# Allegro board C000PD020-3399PRO-DMEB-A-A01.brd (continued)
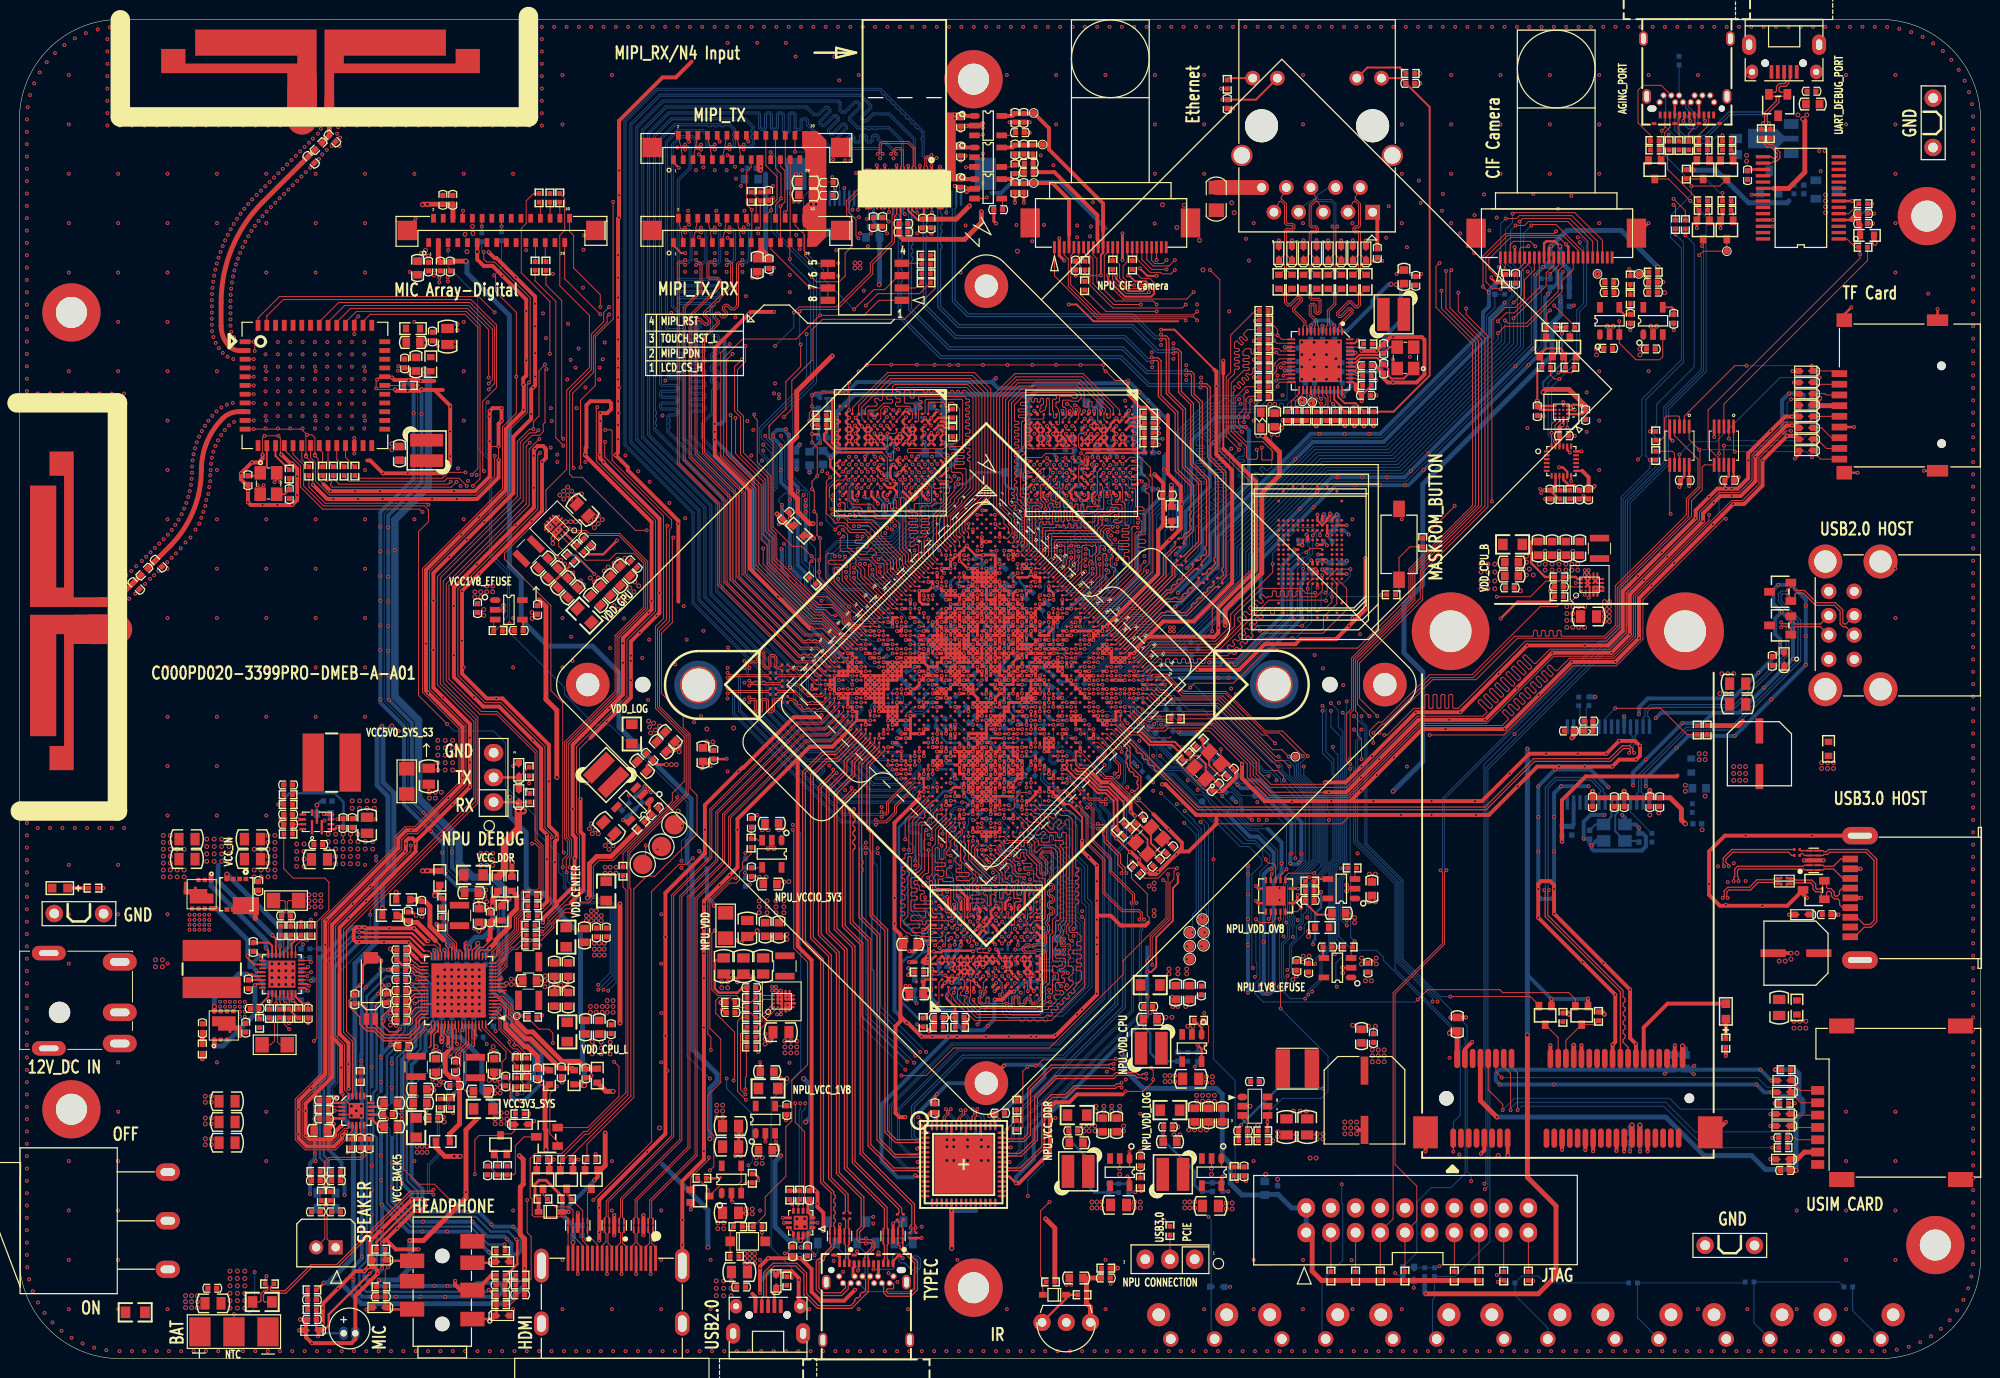
[diagram p0: board, top side]
## Routing (per net, layer and track width the routed paths; a pad name or vN(x,y) marks a point on that pad's centre or on a via; arc(x,y) is an arc through that point) (continued)
DDR0_CS0N: length 34.2
  TOP w0.102: v1(89.94,97.59) 89.79,97.59 89.38,98 88.99,98 88.64,97.64 88.64,96.74 U3601.L3 ; U1000.M6 v1(96.73,80.38)
  S1 w0.102: v1(96.73,80.38) 96.23,80.89 96.23,81.03 96.9,81.7 97.67,81.7 98.22,82.25 98.22,83.67 97.66,84.23 97.66,85.37 98.07,85.78 98.07,86.26 97.82,86.52 97.82,88.43 98.73,89.34 98.73,96.58 97.69,97.62 96.13,97.62 96.03,97.52 96.03,97.13 95.93,97.03 95.02,97.03 94.92,97.13 94.92,97.64 94.58,97.98 93.79,97.98 93.69,97.88 93.69,97.54 93.58,97.44 93.38,97.44 93.28,97.54 93.28,97.88 93.18,97.98 92.97,97.98 92.87,97.88 92.87,97.54 92.77,97.44 92.57,97.44 92.47,97.54 92.47,97.88 92.36,97.98 90.33,97.98 v1(89.94,97.59)
DDR0_CS1N: length 27.9
  TOP w0.102: v1(87.99,96.01) 87.99,95.94 U3601.L4 ; U1000.B1 98.58,86.82 v1(98.57,86.82)
  S1 w0.102: v1(87.99,96.01) 88.47,96.49 88.47,97.24 87.81,97.9 87.81,98.61 87.98,98.78 99.24,98.78 99.34,98.68 99.34,89.06 98.58,88.3 98.58,86.82 v1(98.57,86.82)
DDR0_D0: length 18.9
  TOP w0.102: v1(84.78,84.59) 84.71,84.51 84.56,84.51 84.46,84.41 84.46,83.17 84.56,83.06 85.24,83.06 86.08,82.23 86.08,81.69 86.59,81.18 86.59,80.42 89.84,77.17 U1000.AB2 ; U3601.P9 86.36,91.61 86.36,91.57 v1(86.69,91.24)
  S1 w0.102: v1(86.69,91.24) 86.36,90.91 86.36,90.15 86.26,90.05 85.98,90.05 85.37,89.44 85.37,87.38 85.1,87.11 85.1,84.9 v1(84.78,84.59)
DDR0_D1: length 18.6
  TOP w0.102: v1(86.49,81.8) 86.48,81.81 86.47,81.81 86.54,81.75 86.54,81.67 87,81.21 87,80.47 U1000.AB1 ; v1(87.3,91.24) 87.3,91.32 U3601.N9
  S1 w0.102: v1(87.3,91.24) 87.33,91.24 87.58,90.99 87.58,90.84 87.5,90.76 87.24,90.76 87.07,90.59 87.07,90.1 86.99,90.02 86.99,89.34 86.56,88.91 86.56,88.55 86.74,88.37 86.74,88.04 86.64,87.94 86.23,87.94 86.13,87.84 86.13,87.64 86.23,87.53 86.54,87.53 86.74,87.33 86.74,85.4 86.46,85.12 85.95,85.12 85.83,84.99 85.83,81.95 86.03,81.74 86.37,81.74 86.46,81.83 86.46,81.81 86.48,81.81 v1(86.49,81.8)
DDR0_D2: length 19.6
  TOP w0.102: U3601.N10 87.18,90.64 87.18,90.64 v1(87.42,90.4) ; v1(87.51,81.62) 87.51,81.62 87.51,81.62 87.45,81.62 87.35,81.52 87.35,80.57 90.3,77.63 90.76,77.63 U1000.AA2 90.76,77.63
  S1 w0.102: v1(87.51,81.62) 87.51,81.62 87.51,81.62 87.45,81.68 87.45,82.3 87.35,82.4 86.23,82.4 86.13,82.5 86.13,82.83 86.22,82.92 86.55,82.92 86.64,83.01 86.64,83.14 86.55,83.23 86.22,83.23 86.13,83.32 86.13,83.44 86.22,83.53 86.55,83.53 86.64,83.62 86.64,83.75 86.55,83.84 86.22,83.84 86.13,83.93 86.13,84.08 86.23,84.18 87.15,84.18 87.35,84.38 87.35,86.62 87.86,87.13 87.86,87.53 87.8,87.59 87.8,87.66 87.66,87.81 87.66,89.07 87.71,89.12 87.71,89.87 87.53,90.05 87.44,90.05 87.34,90.15 87.34,90.32 v1(87.42,90.4)
DDR0_D3: length 19.2
  TOP w0.102: U3601.N11 87.01,89.99 86.69,89.67 86.69,89.61 86.63,89.55 86.63,89.56 v1(86.64,89.56) ; v1(87.76,80.67) 87.76,80.63 U1000.AA1
  S1 w0.102: v1(87.76,80.67) 87.76,79.97 87.19,79.41 85.83,79.41 85.47,79.76 85.47,85.78 85.69,86 85.81,86 86.36,86.55 86.36,86.56 86.37,86.58 86.37,86.89 85.67,87.58 85.67,88.42 85.81,88.56 85.81,88.8 85.63,88.98 85.63,89.18 85.78,89.33 85.92,89.33 86.01,89.24 86.32,89.24 86.63,89.55 86.63,89.56 v1(86.64,89.56)
DDR0_D4: length 20.1
  TOP w0.102: 91.22,78.09 91.22,78.09 90.75,78.09 88.16,80.67 88.16,81.46 87.36,82.26 86.55,82.26 85.45,83.37 85.32,83.37 85.22,83.47 85.22,84.79 v1(84.71,85.3) ; U3601.M8 87.66,92.36 v1(87.27,91.98)
  S1 w0.102: v1(87.27,91.98) 87.3,92 87.33,91.98 86.94,91.6 85.98,91.6 85.7,91.32 85.7,91.09 85.45,90.84 85.11,90.84 84.92,90.65 84.92,90.03 85.06,89.89 85.06,87.58 84.76,87.28 84.76,87.16 84.71,87.11 v1(84.71,85.3)
DDR0_D5: length 18.7
  TOP w0.102: U1000.Y1 88.57,80.73 88.57,80.93 v1(88.52,80.97) ; U3601.M9 87.66,91.49 v1(87.91,91.24)
  S1 w0.102: v1(88.52,80.97) 88.63,80.97 88.67,80.93 89.18,80.93 89.28,81.03 89.28,81.13 89.19,81.22 89.07,81.22 88.98,81.31 88.98,81.44 89.07,81.53 89.19,81.53 89.28,81.62 89.28,81.74 89.19,81.83 88.86,81.83 88.77,81.92 88.77,82.05 88.86,82.14 89.19,82.14 89.28,82.23 89.28,82.86 87.96,84.18 87.96,86.21 88.93,87.18 88.93,87.81 88.84,87.9 88.76,87.9 88.69,87.97 88.69,88.14 88.76,88.21 88.83,88.21 88.9,88.28 88.9,88.44 88.83,88.51 88.76,88.51 88.67,88.6 88.67,88.73 88.76,88.82 88.84,88.82 88.93,88.91 88.93,89.11 88.82,89.21 88.42,89.21 88.32,89.31 88.32,89.42 88.21,89.52 88.21,90.12 88.32,90.22 88.32,90.63 88.23,90.71 88.23,90.96 88.32,91.04 88.32,91.24 88.18,91.37 88.04,91.37 v1(87.91,91.24)
DDR0_D6: length 19.2
  TOP w0.102: U1000.W1 89.28,80.94 89.28,81.84 88.69,82.43 88.55,82.43 88.4,82.28 v1(88.4,82.24) ; U3601.M10 87.88,90.59 87.88,90.49 v1(87.94,90.43)
  S1 w0.102: v1(88.4,82.24) 88.37,82.27 88.37,82.41 88.47,82.51 88.69,82.51 88.79,82.62 88.79,82.76 88.69,82.86 88.11,82.86 88.02,82.76 87.05,82.76 86.94,82.87 86.94,83.12 87.03,83.21 87.97,83.21 88.06,83.3 88.06,83.43 87.97,83.52 87.03,83.52 86.94,83.6 86.94,83.77 87.05,83.88 87.55,83.88 87.66,83.98 87.66,86.42 88.51,87.27 88.51,87.52 88.42,87.61 88.2,87.61 87.99,87.82 87.99,87.82 87.99,87.83 87.99,88.37 87.91,88.45 87.91,89.03 88.07,89.19 88.07,89.34 87.94,89.46 v1(87.94,90.43)
DDR0_D7: length 20.2
  TOP w0.102: v1(86.74,84.59) 86.74,84.38 86.6,84.24 86.08,84.24 85.98,84.14 85.98,83.98 86.08,83.88 87.25,83.88 87.35,83.77 87.35,83.57 87.25,83.47 86.23,83.47 86.13,83.37 86.13,83.19 86.56,82.76 87.05,82.76 87.63,83.35 87.78,83.35 88.16,82.96 88.16,82.76 88.06,82.66 87.83,82.66 87.73,82.56 87.73,82.38 88.27,81.84 88.77,81.84 88.98,81.64 88.98,80.78 91.21,78.54 91.68,78.54 U1000.W2 ; v1(87.35,89.65) 87.37,89.65 87.37,89.67 87.66,89.95 U3601.M11
  S1 w0.102: v1(86.74,84.59) 86.96,84.59 87.05,84.67 87.05,88.11 87.2,88.26 87.3,88.26 87.4,88.36 87.4,88.52 87.28,88.64 87.28,88.82 87.4,88.93 87.4,89.13 87.22,89.31 87.22,89.52 87.36,89.65 v1(87.35,89.65)
DDR0_D8: length 25.1
  TOP w0.102: v1(91.21,89.63) 91.2,89.63 91.2,89.68 91.53,90.01 U3601.F11 ; U1000.AF2 88,75.33 82.98,80.34 82.98,82.66 83.19,82.87 83.69,82.87 83.9,82.66 v1(83.9,82.56)
  BOTTOM w0.102: v1(83.9,82.56) 84.71,83.37 87.55,83.37 87.96,83.77 89.87,83.77 91.92,85.83 91.92,86.87 91.26,87.53 91.26,89.56 91.2,89.63 v1(91.21,89.63)
DDR0_D9: length 25.6
  TOP w0.102: v1(84.25,80.23) 84.25,80 88.47,75.79 U1000.AE2 ; v1(91.79,90.4) 91.78,90.4 91.78,90.39 91.76,90.39 91.76,90.49 91.56,90.69 U3601.F10
  BOTTOM w0.102: v1(91.79,90.4) 91.78,90.4 91.78,90.39 91.77,90.39 91.77,90.28 91.52,90.02 91.03,90.02 90.86,89.85 90.86,89.44 91.01,89.29 91.01,87.18 91.1,87.09 91.28,87.09 91.36,87 91.36,86.74 91.26,86.63 91.13,86.63 91.03,86.53 91.03,86.22 91.14,86.12 91.35,86.12 91.45,86.02 91.45,85.79 89.74,84.08 87.76,84.08 87.35,83.67 84.51,83.67 83.49,82.66 83.49,82.31 84.01,81.8 84.01,81.65 83.71,81.35 83.71,80.84 84.25,80.29 v1(84.25,80.23)
DDR0_D10: length 24.4
  TOP w0.102: U3601.F9 91.56,91.52 91.87,91.21 v1(91.87,91.19) ; v1(84.25,81.31) 84.17,81.39 83.95,81.39 83.85,81.29 83.85,79.94 88,75.79 U1000.AF1
  BOTTOM w0.102: v1(91.87,91.19) 91.87,90.94 92.16,90.65 92.16,89.54 92.59,89.11 92.59,85.63 89.92,82.96 88.16,82.96 87.94,82.73 85.67,82.73 84.66,81.72 84.66,81.41 84.56,81.31 v1(84.25,81.31)
DDR0_D11: length 25.9
  TOP w0.102: U3601.F8 91.56,92.36 v1(91.92,92) ; v1(85.06,80.4) 85.06,80.11 88.92,76.25 U1000.AD2
  BOTTOM w0.102: v1(85.06,80.4) 85.47,80.8 85.47,81.59 85.7,81.82 85.93,81.82 86.27,82.16 87.72,82.16 88.04,81.84 89.03,81.84 89.12,81.75 89.57,81.75 93.55,85.73 93.55,87.71 93.13,88.13 93.13,89.04 93.34,89.25 93.39,89.25 93.41,89.27 93.41,89.27 93.62,89.48 93.62,89.48 93.62,89.48 93.62,89.77 93.37,90.02 93.09,90.02 92.86,90.25 92.86,90.55 92.63,90.78 92.43,90.78 92.23,90.99 92.23,91.7 v1(91.92,92)
DDR0_D12: length 25
  TOP w0.102: U1000.AE1 88.46,76.25 84.66,80.05 84.66,81.59 84.51,81.74 83.37,81.74 83.27,81.84 83.27,82.08 83.34,82.15 84.74,82.15 84.96,82.37 v1(84.96,82.53) ; U3601.E11 92.21,89.98 91.83,89.6 91.79,89.6 91.79,89.6 v1(91.79,89.6)
  BOTTOM w0.102: v1(91.79,89.6) 91.79,89.6 91.79,89.56 91.54,89.31 91.54,87.69 92.23,87 92.23,85.71 89.99,83.47 89.47,83.47 89.39,83.38 89.39,83.36 89.3,83.27 89.17,83.27 89.08,83.36 89.08,83.38 88.99,83.47 88.86,83.47 88.78,83.38 88.78,83.36 88.69,83.27 88.56,83.27 88.47,83.36 88.47,83.38 88.38,83.47 88.16,83.47 87.76,83.06 84.91,83.06 84.76,82.91 84.76,82.71 84.94,82.53 v1(84.96,82.53)
DDR0_D13: length 25.4
  TOP w0.102: U1000.AD1 88.54,77.09 85.47,80.16 85.47,82.02 85.34,82.15 85.2,82.15 85.06,82.02 v1(85.06,81.51) ; v1(92.51,90.4) 92.52,90.4 92.52,90.4 92.51,90.4 92.21,90.7 U3601.E10
  BOTTOM w0.102: v1(92.51,90.4) 92.52,90.4 92.52,90.4 92.51,90.4 92.53,90.38 92.53,90.23 92.9,89.86 92.9,89.4 92.84,89.33 92.84,87.71 92.93,87.63 93.15,87.63 93.24,87.53 93.24,87.41 93.15,87.32 92.93,87.32 92.84,87.23 92.84,87.1 92.93,87.02 93.15,87.02 93.24,86.92 93.24,86.8 93.15,86.71 92.93,86.71 92.84,86.62 92.84,86.5 92.93,86.41 93.15,86.41 93.24,86.31 93.24,86.19 93.15,86.1 92.93,86.1 92.84,86.01 92.84,85.45 89.54,82.15 88.87,82.15 88.77,82.25 88.77,82.56 88.67,82.66 88.29,82.66 88.06,82.43 85.9,82.43 85.81,82.34 85.81,82.22 85.72,82.12 85.57,82.12 85.06,81.62 v1(85.06,81.51)
DDR0_D14: length 25.7
  TOP w0.102: v1(85.87,81.4) 85.89,81.4 86.23,81.06 86.23,80.31 U1000.AC1 ; v1(92.58,91.19) 92.21,91.56 U3601.E9
  BOTTOM w0.102: v1(85.87,81.4) 85.89,81.4 87.07,80.22 88.47,80.22 93.9,85.65 93.9,86.11 94.01,86.21 94.31,86.21 94.41,86.31 94.41,86.52 94.31,86.62 94.01,86.62 93.9,86.72 93.9,86.92 94.01,87.02 94.31,87.02 94.41,87.13 94.41,87.33 94.31,87.43 94.01,87.43 93.9,87.53 93.9,87.73 94.01,87.84 94.31,87.84 94.41,87.94 94.41,88.14 94.31,88.24 94.01,88.24 93.9,88.34 93.9,89.9 93.58,90.22 93.58,90.56 93.36,90.78 92.99,90.78 v1(92.58,91.19)
DDR0_D15: length 26.2
  TOP w0.102: v1(92.53,92) 92.86,91.67 U3601.D9 ; v1(85.88,80.34) 85.88,80.21 89.38,76.71 U1000.AC2
  BOTTOM w0.102: v1(85.88,80.34) 85.88,79.81 85.98,79.71 88.93,79.71 91.25,82.03 92.11,82.03 93.04,82.96 93.04,84.28 94.79,86.03 94.79,90.05 93.95,90.88 93.65,90.88 93.5,91.04 93.5,91.37 93.24,91.63 92.9,91.63 v1(92.53,92)
DDR0_D16: length 18.7
  TOP w0.102: U1000.V1 89.94,81.2 89.94,82.12 87.66,84.41 87.66,84.68 87.04,85.3 85.64,85.3 84.93,86.01 84,86.01 83.03,86.98 83.03,90.28 v1(83.44,90.69) ; U3601.T8 84.76,92.11 v1(84.76,92.08)
  BOTTOM w0.102: v1(84.76,92.08) 84.76,92.01 v1(83.44,90.69)
DDR0_D17: length 19.5
  TOP w0.102: v1(84.76,91.27) 84.76,91.31 U3601.T9 ; v1(83.95,85.3) 84.35,85.71 84.81,85.71 85.52,84.99 86.89,84.99 87.35,84.53 87.35,84.28 89.64,82 89.64,81.04 91.67,79 U1000.V2
  BOTTOM w0.102: v1(83.95,85.3) 82.99,86.26 82.99,89.63 84.63,91.27 v1(84.76,91.27)
DDR0_D18: length 18.8
  TOP w0.102: v1(84.25,86.42) 84.36,86.52 84.85,86.52 85.35,86.02 87.54,86.02 88.37,85.2 88.37,84.56 90.55,82.38 90.55,81.51 U1000.U1 ; v1(83.69,88.35) 83.34,88.71 83.34,89.61 84.12,90.39 84.75,90.39 85.06,90.7 U3601.T10
  BOTTOM w0.102: v1(84.25,86.42) 84.25,86.12 84.05,85.91 83.85,85.91 83.74,86.02 83.74,86.42 84.05,86.73 84.05,87.48 83.69,87.84 v1(83.69,88.35)
DDR0_D19: length 19.4
  TOP w0.102: U1000.U2 92.13,79.46 90.25,81.34 90.25,82.25 88.01,84.49 88.01,85.04 87.35,85.71 86.44,85.71 v1(86.38,85.65) ; v1(84.71,89.6) 84.73,89.6 84.73,89.69 85.05,90.01 U3601.T11
  BOTTOM w0.102: v1(84.71,89.6) 84.71,89.6 84.71,89.33 84.36,88.97 84.36,88.96 84.35,88.96 84.35,88.42 84.91,87.86 84.91,86.72 85.22,86.42 85.22,85.2 85.42,85 87.5,85 87.6,85.1 87.6,85.53 87.5,85.63 86.41,85.63 v1(86.38,85.65)
DDR0_D20: length 19.1
  TOP w0.102: U1000.T1 92.31,80.67 92.03,80.95 91.16,81.82 91.16,82.63 90.55,83.24 90.55,85.91 89.99,86.47 88.06,86.47 87.91,86.62 86.67,86.62 86.39,86.9 86.39,87.2 86.28,87.31 85.98,87.31 85.88,87.2 85.88,86.8 85.98,86.7 v1(86,86.7) ; U3601.R8 85.71,92.34 v1(85.37,92)
  BOTTOM w0.102: v1(85.37,92) 85.64,91.73 85.64,90.27 85.42,90.05 85.22,90.05 85.12,89.95 85.12,89.06 85.22,88.96 85.22,87.6 85.98,86.84 85.98,86.72 v1(86,86.7)
DDR0_D21: length 19
  TOP w0.102: U1000.T2 92.61,79.92 90.86,81.68 90.86,82.5 88.67,84.69 88.67,85.4 87.76,86.31 85.46,86.31 84.95,86.83 84.36,86.83 83.85,87.35 83.67,87.35 v1(83.62,87.4) ; U3601.R9 85.69,91.61 v1(85.29,91.21)
  BOTTOM w0.102: v1(83.62,87.4) 83.48,87.4 83.34,87.54 83.34,89.57 84.63,90.86 84.94,90.86 v1(85.29,91.21)
DDR0_D22: length 19.9
  TOP w0.102: v1(84.35,87.81) 84.35,87.99 84.42,88.06 84.86,88.06 84.96,87.96 84.96,87.34 85.06,87.23 85.43,87.23 85.8,87.61 86.49,87.61 86.68,87.42 86.68,87.2 86.78,87.1 87.94,87.1 88.3,86.75 90.81,86.75 90.91,86.64 90.91,83.37 91.47,82.81 91.47,81.97 93.05,80.38 U1000.R2 ; v1(85.28,90.42) 85.26,90.42 85.26,90.44 85.33,90.44 85.7,90.81 U3601.R10
  BOTTOM w0.102: v1(85.28,90.42) 85.26,90.42 85.26,90.44 85.24,90.45 84.98,90.45 84.35,89.83 84.35,89.47 84.33,89.45 84.11,89.22 84.11,87.93 84.23,87.81 v1(84.35,87.81)
DDR0_D23: length 22.1
  TOP w0.102: U3601.R11 85.37,89.67 85.37,88.25 85.7,87.91 87.6,87.91 88.37,87.15 88.62,87.15 88.72,87.25 88.72,87.86 88.8,87.95 88.95,87.95 89.03,87.86 89.03,87.2 89.13,87.1 89.24,87.1 89.33,87.19 89.33,87.9 89.42,87.99 89.55,87.99 89.64,87.9 89.64,87.5 89.73,87.41 89.85,87.41 89.94,87.5 89.94,88.28 90.03,88.37 90.13,88.37 90.22,88.28 90.22,87.52 90.31,87.43 90.55,87.43 90.65,87.54 90.65,88.52 90.75,88.62 90.99,88.62 91.21,88.4 91.21,83.5 91.77,82.94 91.77,82.13 92.6,81.3 93.06,80.84 U1000.R1
DDR0_D24: length 19.6
  TOP w0.102: U1000.P1 93.23,81.59 92.53,82.29 92.53,83.67 92.43,83.76 92.21,83.76 92.02,83.57 91.72,83.57 91.61,83.69 91.61,83.96 91.71,84.06 91.99,84.06 92.09,84.16 92.09,84.36 91.99,84.46 91.71,84.46 91.61,84.57 91.61,84.82 91.69,84.91 92.34,84.91 92.43,84.99 92.43,85.12 92.34,85.21 91.61,85.21 91.52,85.3 91.52,85.43 91.61,85.51 92.34,85.51 92.43,85.6 92.43,85.73 92.34,85.82 91.61,85.82 91.52,85.91 91.52,86.04 91.61,86.12 92.34,86.12 92.43,86.21 92.43,86.34 92.34,86.43 91.61,86.43 91.52,86.52 91.52,86.64 91.61,86.73 92.34,86.73 92.43,86.82 92.43,86.95 92.34,87.04 91.61,87.04 91.52,87.13 91.52,87.25 91.61,87.34 91.99,87.34 92.08,87.43 92.08,87.89 92.18,87.99 93.71,87.99 93.85,88.14 93.85,88.74 93.86,88.75 93.86,89.04 93.83,89.07 93.83,89.69 U3601.C11
DDR0_D25: length 17.6
  TOP w0.102: U1000.P2 93.51,80.84 92.13,82.22 v1(92.13,82.66) ; U3601.C10 93.52,90.81 93.95,90.38 93.95,90.4 v1(93.94,90.4)
  S1 w0.102: v1(93.94,90.4) 93.95,90.4 93.95,90.38 94.46,89.87 94.46,89.36 94.87,88.95 94.87,88.55 94.77,88.45 94.56,88.45 94.46,88.34 94.46,87.84 94.06,87.43 92.02,87.43 91.92,87.33 91.92,86.95 92.02,86.85 92.28,86.85 92.38,86.75 92.38,86.55 92.28,86.45 92.02,86.45 91.92,86.35 91.92,86.14 92.02,86.04 92.28,86.04 92.38,85.94 92.38,85.74 92.28,85.63 92.02,85.63 91.92,85.53 91.92,85.33 92.02,85.23 92.28,85.23 92.38,85.13 92.38,84.92 92.28,84.82 92.02,84.82 91.92,84.72 91.92,84.52 92.02,84.41 92.28,84.41 92.38,84.31 92.38,84.11 92.28,84.01 92.02,84.01 91.92,83.91 91.92,83.67 92.02,83.57 92.33,83.57 92.51,83.39 92.51,82.83 92.33,82.66 v1(92.13,82.66)
DDR0_D26: length 16.8
  TOP w0.102: v1(93.55,84.28) 93.45,84.18 93.24,84.18 93.14,84.08 93.14,82.6 93.69,82.05 U1000.N1 ; U3601.C9 93.51,91.39 93.66,91.24 93.87,91.24 v1(93.87,91.24)
  S1 w0.102: v1(93.87,91.24) 94.04,91.24 95.07,90.21 95.07,89.67 95.25,89.49 95.38,89.49 95.48,89.39 95.48,87.84 94.46,86.82 93.24,86.82 93.04,86.62 93.04,86.49 93.13,86.4 93.56,86.4 93.65,86.31 93.65,86.19 93.56,86.1 93.13,86.1 93.04,86 93.04,85.88 93.13,85.79 93.56,85.79 93.65,85.7 93.65,85.58 93.56,85.49 93.13,85.49 93.04,85.4 93.04,85.27 93.13,85.18 93.56,85.18 93.65,85.09 93.65,84.97 93.56,84.88 93.13,84.88 93.04,84.79 93.04,84.41 93.17,84.28 v1(93.55,84.28)
DDR0_D27: length 17
  TOP w0.102: v1(93.9,92) 93.85,92 93.51,92.34 U3601.C8 ; U1000.M1 94.03,82.63 94.03,86.8 95.48,88.25 95.48,88.55 96.19,89.26 96.19,90.07 v1(96.65,90.54)
  S1 w0.102: v1(96.65,90.54) 96.65,91.1 96.55,91.2 95.94,91.2 95.88,91.14 95.32,91.14 94.86,91.6 93.65,91.6 93.54,91.7 93.54,92.17 93.01,92.7 93.01,92.85 93.11,92.95 93.26,92.95 93.9,92.31 v1(93.9,92)
DDR0_D28: length 20.1
  TOP w0.102: U3601.B11 94.08,89.93 94.08,89.63 94.16,89.54 94.66,89.54 94.73,89.61 95.6,89.61 95.7,89.51 95.7,89.16 95.6,89.06 95.22,89.06 95.12,88.96 95.12,88.27 94.88,88.03 94.19,88.03 93.91,87.75 92.86,87.75 92.76,87.64 92.76,86.81 92.85,86.72 93.56,86.72 93.65,86.63 93.65,86.51 93.56,86.42 92.85,86.42 92.76,86.33 92.76,86.2 92.85,86.11 93.56,86.11 93.65,86.03 93.65,85.9 93.56,85.81 92.85,85.81 92.76,85.72 92.76,85.59 92.85,85.5 93.56,85.5 93.65,85.42 93.65,85.29 93.56,85.2 92.85,85.2 92.76,85.11 92.76,84.98 92.86,84.88 93.23,84.88 93.33,84.78 93.33,84.64 93.24,84.55 92.44,84.55 92.34,84.45 92.34,84.27 92.46,84.15 92.74,84.15 92.84,84.05 92.84,82.45 93.99,81.3 U1000.N2
DDR0_D29: length 16.4
  TOP w0.102: U3601.B10 94.65,90.33 95.55,90.33 95.55,90.32 95.57,90.32 95.71,90.19 95.86,90.19 95.97,90.29 95.97,90.5 95.68,90.79 v1(95.58,90.79) ; v1(94.67,83.17) 94.9,82.94 U1000.L1
  S1 w0.102: v1(95.58,90.79) 95.64,90.79 96.09,90.33 96.09,87.43 94.87,86.21 94.87,85.4 94.96,85.31 95.29,85.31 95.38,85.22 95.38,85.09 95.29,85 94.96,85 94.87,84.91 94.87,84.79 94.96,84.7 95.29,84.7 95.38,84.61 95.38,84.48 95.29,84.39 94.96,84.39 94.87,84.3 94.87,84.18 94.96,84.09 95.29,84.09 95.38,84 95.38,83.87 95.29,83.78 94.96,83.78 94.87,83.69 94.87,83.59 94.96,83.5 95.29,83.5 95.38,83.41 95.38,83.18 94.85,82.66 94.46,82.66 94.36,82.76 94.36,82.86 v1(94.67,83.17)
DDR0_D30: length 17.5
  TOP w0.102: v1(93.55,83.27) 93.55,82.65 94.44,81.76 U1000.M2 ; U3601.B9 94.18,91.61 94.59,91.2 v1(94.59,91.2)
  S1 w0.102: v1(93.55,83.27) 93.55,82.66 93.65,82.56 93.85,82.56 93.95,82.66 93.95,84.5 94.04,84.59 94.48,84.59 94.56,84.68 94.56,84.81 94.48,84.9 94.04,84.9 93.95,84.99 93.95,85.11 94.04,85.2 94.48,85.2 94.56,85.29 94.56,85.42 94.48,85.51 94.04,85.51 93.95,85.6 93.95,85.72 94.04,85.81 94.48,85.81 94.56,85.9 94.56,86.03 94.48,86.12 94.04,86.12 93.95,86.21 93.95,86.42 94.06,86.52 94.67,86.52 95.78,87.64 95.78,90.27 95.68,90.38 95.38,90.38 95.17,90.58 95.17,90.83 95.07,90.94 94.82,90.94 94.59,91.16 v1(94.59,91.2)
DDR0_D31: length 16.8
  TOP w0.102: U3601.B8 94.16,92.35 v1(94.46,92.05) ; v1(95.35,82.66) 95.36,82.65 U1000.L2
  S1 w0.102: v1(95.35,82.66) 95.58,82.66 95.68,82.76 95.68,82.97 95.77,83.06 96.1,83.06 96.19,83.15 96.19,83.28 96.1,83.37 95.77,83.37 95.68,83.46 95.68,83.58 95.77,83.67 96.1,83.67 96.19,83.76 96.19,83.89 96.1,83.98 95.77,83.98 95.68,84.07 95.68,84.19 95.77,84.28 96.1,84.28 96.19,84.37 96.19,84.5 96.1,84.59 95.77,84.59 95.68,84.68 95.68,85.5 95.58,85.6 95.28,85.6 95.17,85.71 95.17,85.91 95.28,86.01 95.58,86.01 95.68,86.11 95.68,86.52 96.39,87.23 96.39,89.39 96.49,89.49 96.62,89.49 97.16,90.02 97.16,91.5 97.05,91.6 96.04,91.6 95.79,91.85 94.95,91.85 94.75,92.05 v1(94.46,92.05)
DDR0_DM0: length 21.1
  TOP w0.102: v1(87.98,92.07) 87.98,92.09 88.29,92.41 U3601.L8 ; U1000.Y5 v1(92.6,77.16)
  S1 w0.102: v1(92.6,77.16) 92.6,77.74 91.41,78.92 90.81,78.92 90.09,79.63 90.09,83.37 88.71,84.75 88.71,85.62 89.57,86.48 90.67,86.48 90.75,86.57 90.75,86.7 90.67,86.79 90.59,86.79 90.5,86.88 90.5,87 90.59,87.09 90.67,87.09 90.75,87.18 90.75,87.31 90.61,87.45 90.61,89.04 89.61,90.04 89.61,90.55 89.13,91.04 89.13,91.34 88.87,91.6 88.37,91.6 88.01,91.95 88.01,92.03 v1(87.98,92.07)
DDR0_DM1: length 27.9
  TOP w0.102: U1000.AC5 91.22,75.33 v1(91.22,75.78) ; U3601.G8 90.91,92.44 v1(91.21,92.74)
  BOTTOM w0.102: v1(91.21,92.74) 91.21,92.69 91.55,92.35 93.34,92.35 93.54,92.15 93.54,91.83 93.75,91.62 94.01,91.62 94.23,91.4 94.23,91.04 95.07,90.2 95.07,85.71 93.95,84.59 93.95,82.96 92.21,81.22 92.07,81.22 91.71,81.59 91.56,81.59 91.42,81.44 91.42,81.3 91.78,80.94 91.78,80.79 91.64,80.65 91.5,80.65 91.13,81.01 90.99,81.01 90.85,80.87 90.85,80.72 91.21,80.36 91.21,80.22 91.06,80.07 90.92,80.07 90.56,80.44 90.41,80.44 90.27,80.29 90.27,80.15 90.64,79.79 90.64,79.64 90.49,79.5 90.35,79.5 90.2,79.65 89.96,79.65 89.86,79.55 89.86,79.41 90.06,79.21 90.06,79.07 89.59,78.59 89.59,77.9 90.25,77.24 90.25,77.24 91.22,76.26 v1(91.22,75.78)
DDR0_DM2: length 20.6
  TOP w0.102: v1(86.69,92) 86.36,92.33 U3601.P8 ; v1(93.98,78.54) 93.98,78.54 U1000.U5
  S1 w0.102: v1(89.76,86.12) 90.39,86.12 90.91,85.6 90.91,80.78 91.49,80.19 92.71,80.19 92.84,80.06 92.84,79.5 92.98,79.35 93.55,79.35 93.98,78.93 v1(93.98,78.54)
  BOTTOM w0.102: v1(86.69,92) 87.07,91.62 88.06,91.62 88.32,91.37 88.32,90.02 87.82,89.53 87.82,89.27 87.91,89.18 87.91,86.8 88.39,86.31 89.64,86.31 89.74,86.21 89.74,86.14 v1(89.76,86.12)
DDR0_DM3: length 20.4
  TOP w0.102: v1(95.35,79.92) 95.36,79.92 U1000.P5 ; v1(93.19,92) 92.86,92.33 U3601.D8
  S1 w0.102: v1(93.19,92) 93.19,91.67 93.5,91.36 93.5,91.03 93.73,90.8 94.02,90.8 94.05,90.78 94.06,90.78 94.77,90.08 94.77,89.51 95.17,89.11 95.17,88.04 94.26,87.13 92.94,87.13 92.74,86.92 92.74,83.88 92.84,83.77 92.84,81.54 93.04,81.34 93.58,81.34 93.68,81.44 93.68,81.99 93.78,82.1 93.98,82.1 94.08,81.99 94.08,81.44 94.19,81.34 94.41,81.34 94.77,81.69 95.01,81.69 95.28,81.42 95.28,81.23 95.78,80.73 95.78,80.09 95.61,79.92 v1(95.35,79.92)
DDR0_DQS0M: length 19.9
  TOP w0.102: v1(88.65,89.61) 88.65,89.68 U3601.L11 ; U1000.AA4 v1(91.68,77.16)
  S1 w0.102: v1(91.68,77.16) 91.72,77.16 91.82,77.26 91.82,77.42 91.72,77.52 91.29,77.52 91.16,77.65 91.16,77.75 91.02,77.9 90.99,77.93 90.89,77.93 90.73,78.08 90.73,78.18 90.42,78.49 88.98,78.49 88.79,78.68 88.79,79.01 88.98,79.2 89.38,79.2 89.48,79.3 89.48,79.43 89.31,79.61 88.87,79.61 88.8,79.69 88.7,79.78 88.7,79.79 88.67,79.82 88.67,80.3 88.7,80.33 88.7,80.33 88.85,80.48 88.89,80.52 89.06,80.52 89.06,80.52 89.48,80.52 89.59,80.63 89.59,83.08 88.27,84.4 88.27,85.89 89.43,87.06 89.43,87.34 89.43,87.51 89.64,87.71 89.64,88.69 89.65,88.7 89.65,88.99 89.64,89.01 89.64,89.31 89.13,89.82 88.85,89.82 v1(88.65,89.61)
DDR0_DQS0P: length 20.1
  TOP w0.102: U1000.Y4 v1(92.14,77.62) ; v1(88.72,90.43) 88.67,90.43 88.31,90.79 U3601.L10
  S1 w0.102: v1(92.14,77.62) 92.11,77.62 92.01,77.73 91.48,77.73 90.51,78.69 89.06,78.69 88.99,78.77 88.99,78.93 89.06,79 89.47,79 89.69,79.22 89.69,79.52 89.39,79.81 88.96,79.81 88.87,79.9 88.87,80.22 88.98,80.32 89.57,80.32 89.79,80.54 89.79,83.17 88.47,84.49 88.47,85.81 89.64,86.98 89.64,87.42 89.85,87.64 89.85,88.58 89.84,88.59 89.84,88.6 89.85,88.62 89.85,89.08 89.84,89.09 89.84,89.39 89.21,90.02 88.75,90.02 88.67,90.1 88.67,90.4 88.7,90.43 v1(88.72,90.43)
DDR0_DQS1M: length 26.5
  TOP w0.102: U1000.AD4 v1(90.3,75.78) ; v1(90.62,90.44) 90.67,90.44 90.91,90.2 U3601.G11
  BOTTOM w0.102: v1(90.3,75.78) 90.05,76.03 89.73,76.03 86.74,79.02 84.61,79.02 82.98,80.65 82.98,83.05 84.12,84.18 87.06,84.18 87.47,84.59 89.52,84.59 89.9,84.97 89.91,84.97 90.49,85.55 90.49,88.52 90.59,88.62 90.59,89.01 90.35,89.25 90.35,89.95 90.65,90.25 90.65,90.41 v1(90.62,90.44)
DDR0_DQS1P: length 27.1
  TOP w0.102: U3601.G10 90.95,90.77 90.95,90.59 91.08,90.45 v1(91.16,90.45) ; U1000.AC4 v1(90.76,76.25)
  BOTTOM w0.102: v1(91.16,90.45) 90.55,89.85 90.55,89.34 90.79,89.1 90.79,88.54 90.7,88.44 90.7,85.46 89.62,84.38 87.55,84.38 87.15,83.98 84.2,83.98 84.09,83.86 83.19,82.96 83.19,80.74 84.39,79.53 84.69,79.23 86.83,79.23 89.06,77 89.2,77 89.33,77.13 89.48,77.13 89.62,76.98 89.62,76.84 89.49,76.71 89.49,76.56 89.81,76.25 v1(90.76,76.25)
DDR0_DQS2M: length 19.6
  TOP w0.102: U3601.P11 86.24,90.01 86.14,89.91 v1(86.14,89.61) ; U1000.V4 93.19,78.22 93.19,78.41 v1(93.06,78.54)
  S1 w0.102: v1(89.76,85.32) 89.68,85.25 89.68,85.1 89.84,84.94 90.38,84.94 90.6,84.72 90.6,84.45 90.4,84.24 90.29,84.24 90.2,84.15 90.2,84.03 90.29,83.94 90.39,83.94 90.6,83.73 90.6,80.1 91.02,79.68 91.57,79.68 91.87,79.38 91.87,79.18 92.38,78.67 92.48,78.67 92.68,78.47 92.68,78.36 92.81,78.24 93.09,78.24 93.19,78.34 93.19,78.41 v1(93.06,78.54)
  BOTTOM w0.102: v1(86.14,89.61) 86.14,89.67 86.21,89.74 86.21,89.88 86.11,89.99 85.97,89.99 85.82,89.83 85.78,89.79 85.78,87.81 86.59,87 86.98,87 87.2,86.78 87.2,86.38 87.31,86.27 88.01,86.27 88.27,86.01 89.37,86.01 89.64,85.73 89.64,85.45 v1(89.76,85.32)
DDR0_DQS2P: length 20.2
  TOP w0.102: U1000.U4 v1(93.52,78.08) ; U3601.P10 86.36,90.8 86.02,90.46 86.01,90.46 v1(86.01,90.45)
  S1 w0.102: v1(89.28,85.46) 89.29,85.46 89.29,85.35 89.41,85.22 89.41,85.13 89.45,85.1 89.45,85.05 89.76,84.74 90.3,84.74 90.4,84.64 90.4,84.54 90.31,84.45 90.02,84.45 89.92,84.34 89.92,84.02 90.2,83.74 90.31,83.74 90.4,83.65 90.4,79.7 90.62,79.48 91.49,79.48 91.67,79.3 91.67,79.09 92.73,78.03 93.47,78.03 v1(93.52,78.08)
  BOTTOM w0.102: v1(89.28,85.46) 89.29,85.46 89.38,85.56 89.38,85.71 89.28,85.81 88.18,85.81 87.92,86.06 87.22,86.06 87.14,86.14 87,86.29 86.99,86.29 87,86.4 87,86.7 86.89,86.8 86.5,86.8 85.57,87.73 85.57,89.92 86.01,90.35 v1(86.01,90.45)
DDR0_DQS3M: length 18.3
  TOP w0.102: v1(93.26,89.62) 93.21,89.62 92.86,89.97 U3601.D11 ; v1(94.43,79.92) 94.57,79.79 94.57,79.59 U1000.R4
  S1 w0.102: v1(94.43,79.92) 94.43,80.15 94.33,80.25 94.02,80.25 93.85,80.42 93.85,80.62 93.75,80.72 91.59,80.72 91.33,80.98 91.33,81.29 91.59,81.54 92.23,81.54 92.33,81.64 92.33,81.82 92.23,81.92 91.76,81.92 91.41,82.27 91.41,87.55 91.41,87.72 91.41,87.72 91.67,87.98 91.67,87.98 91.71,88.01 93.36,88.01 93.67,88.01 93.87,88.21 93.87,89.56 93.46,89.97 93.29,89.97 93.22,89.89 93.22,89.67 v1(93.26,89.62)
